# Altium PCB Main.PcbDoc (part 1 of 7) (continued)
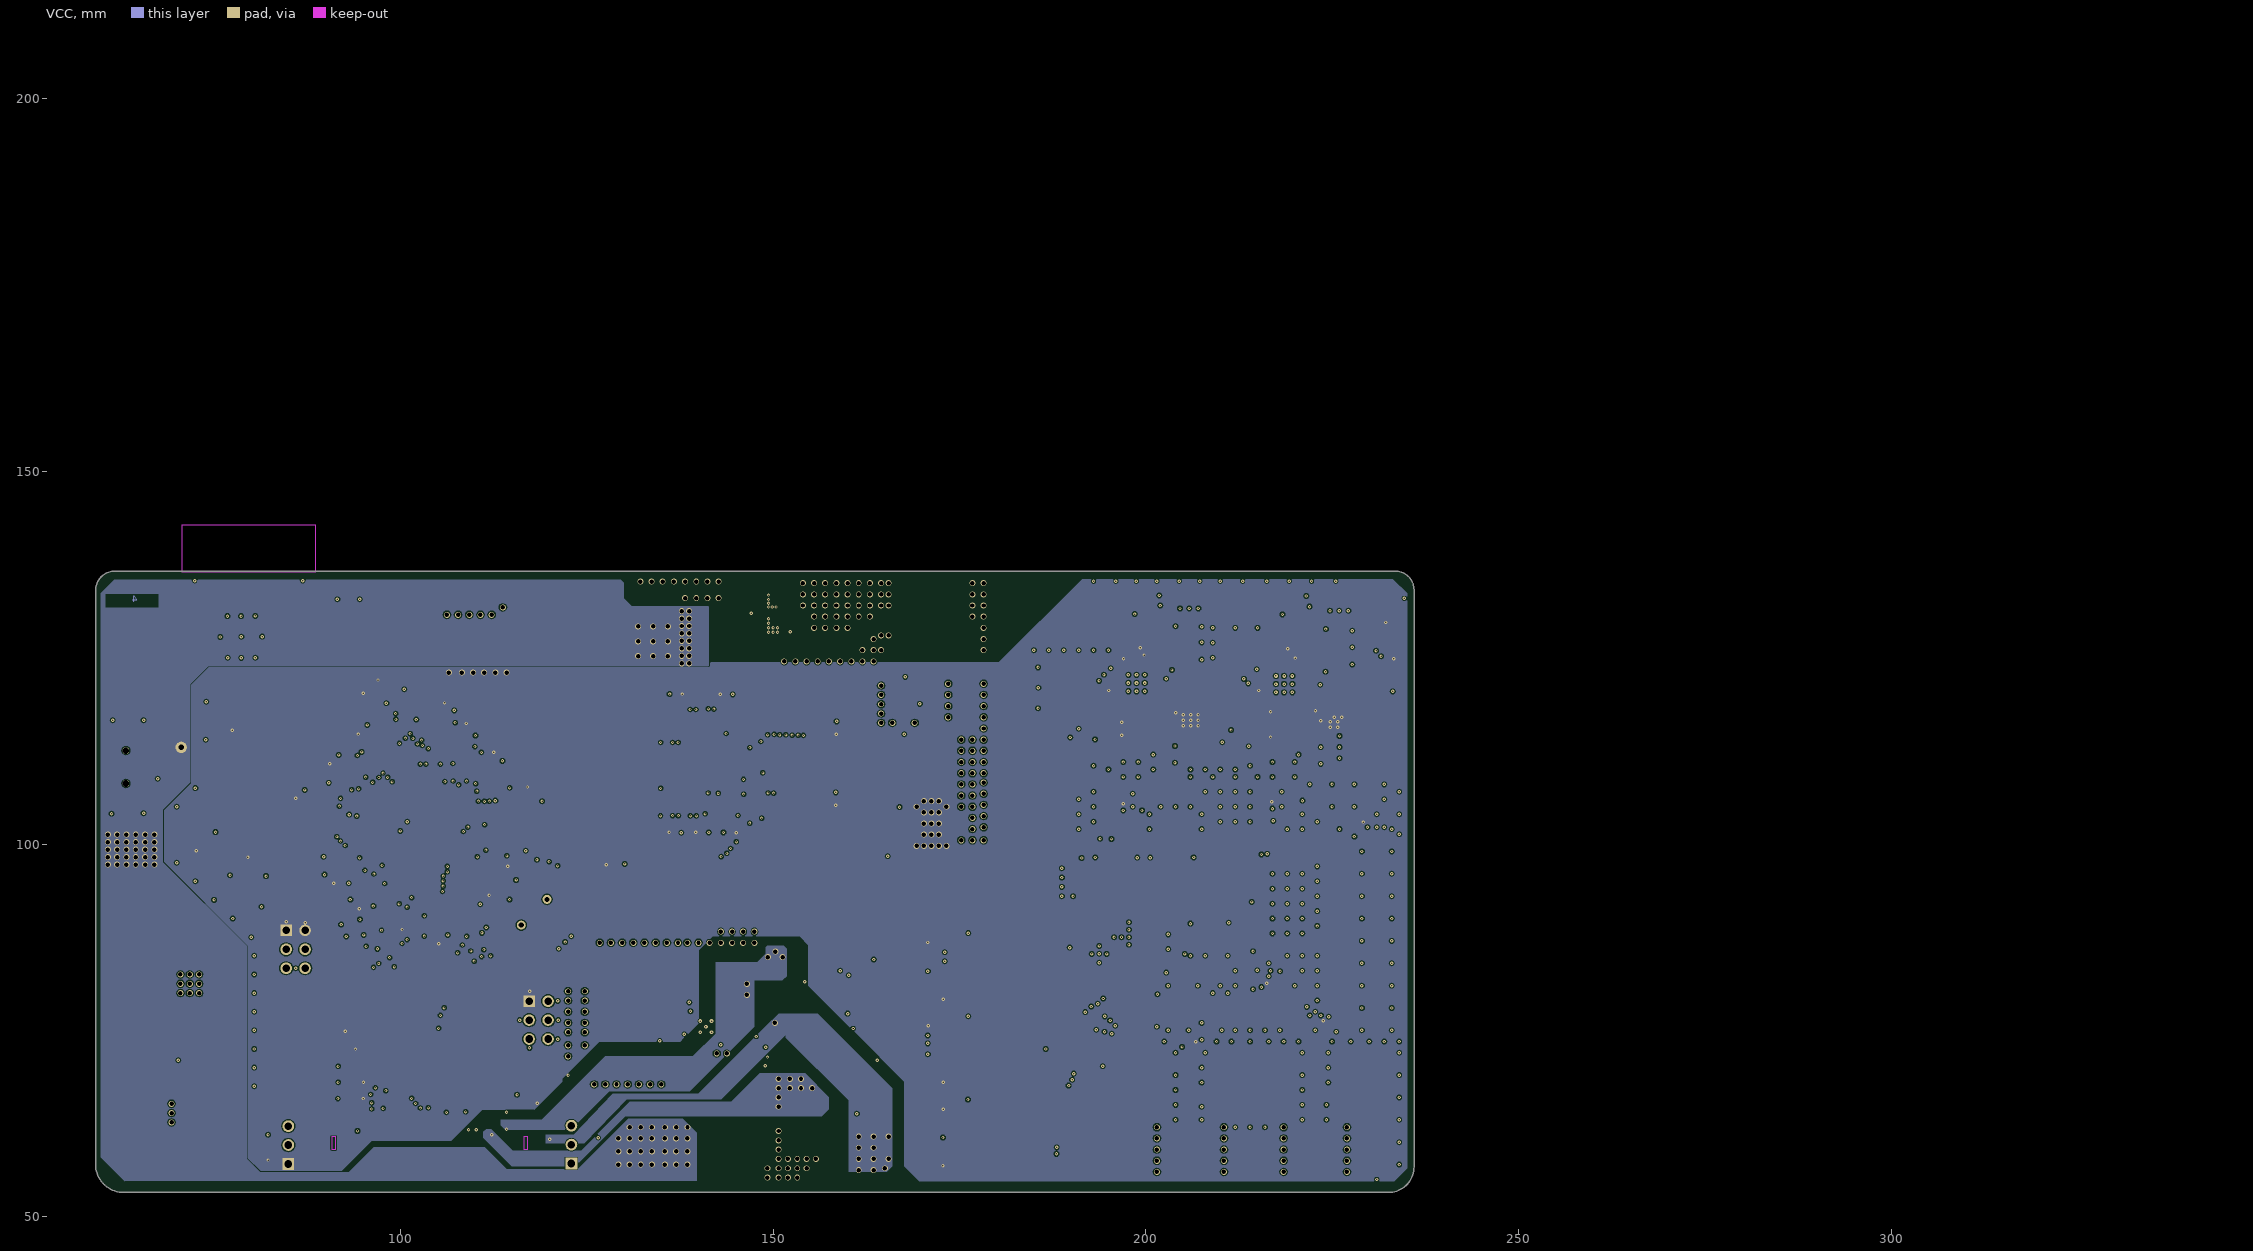
[diagram p4: VCC]
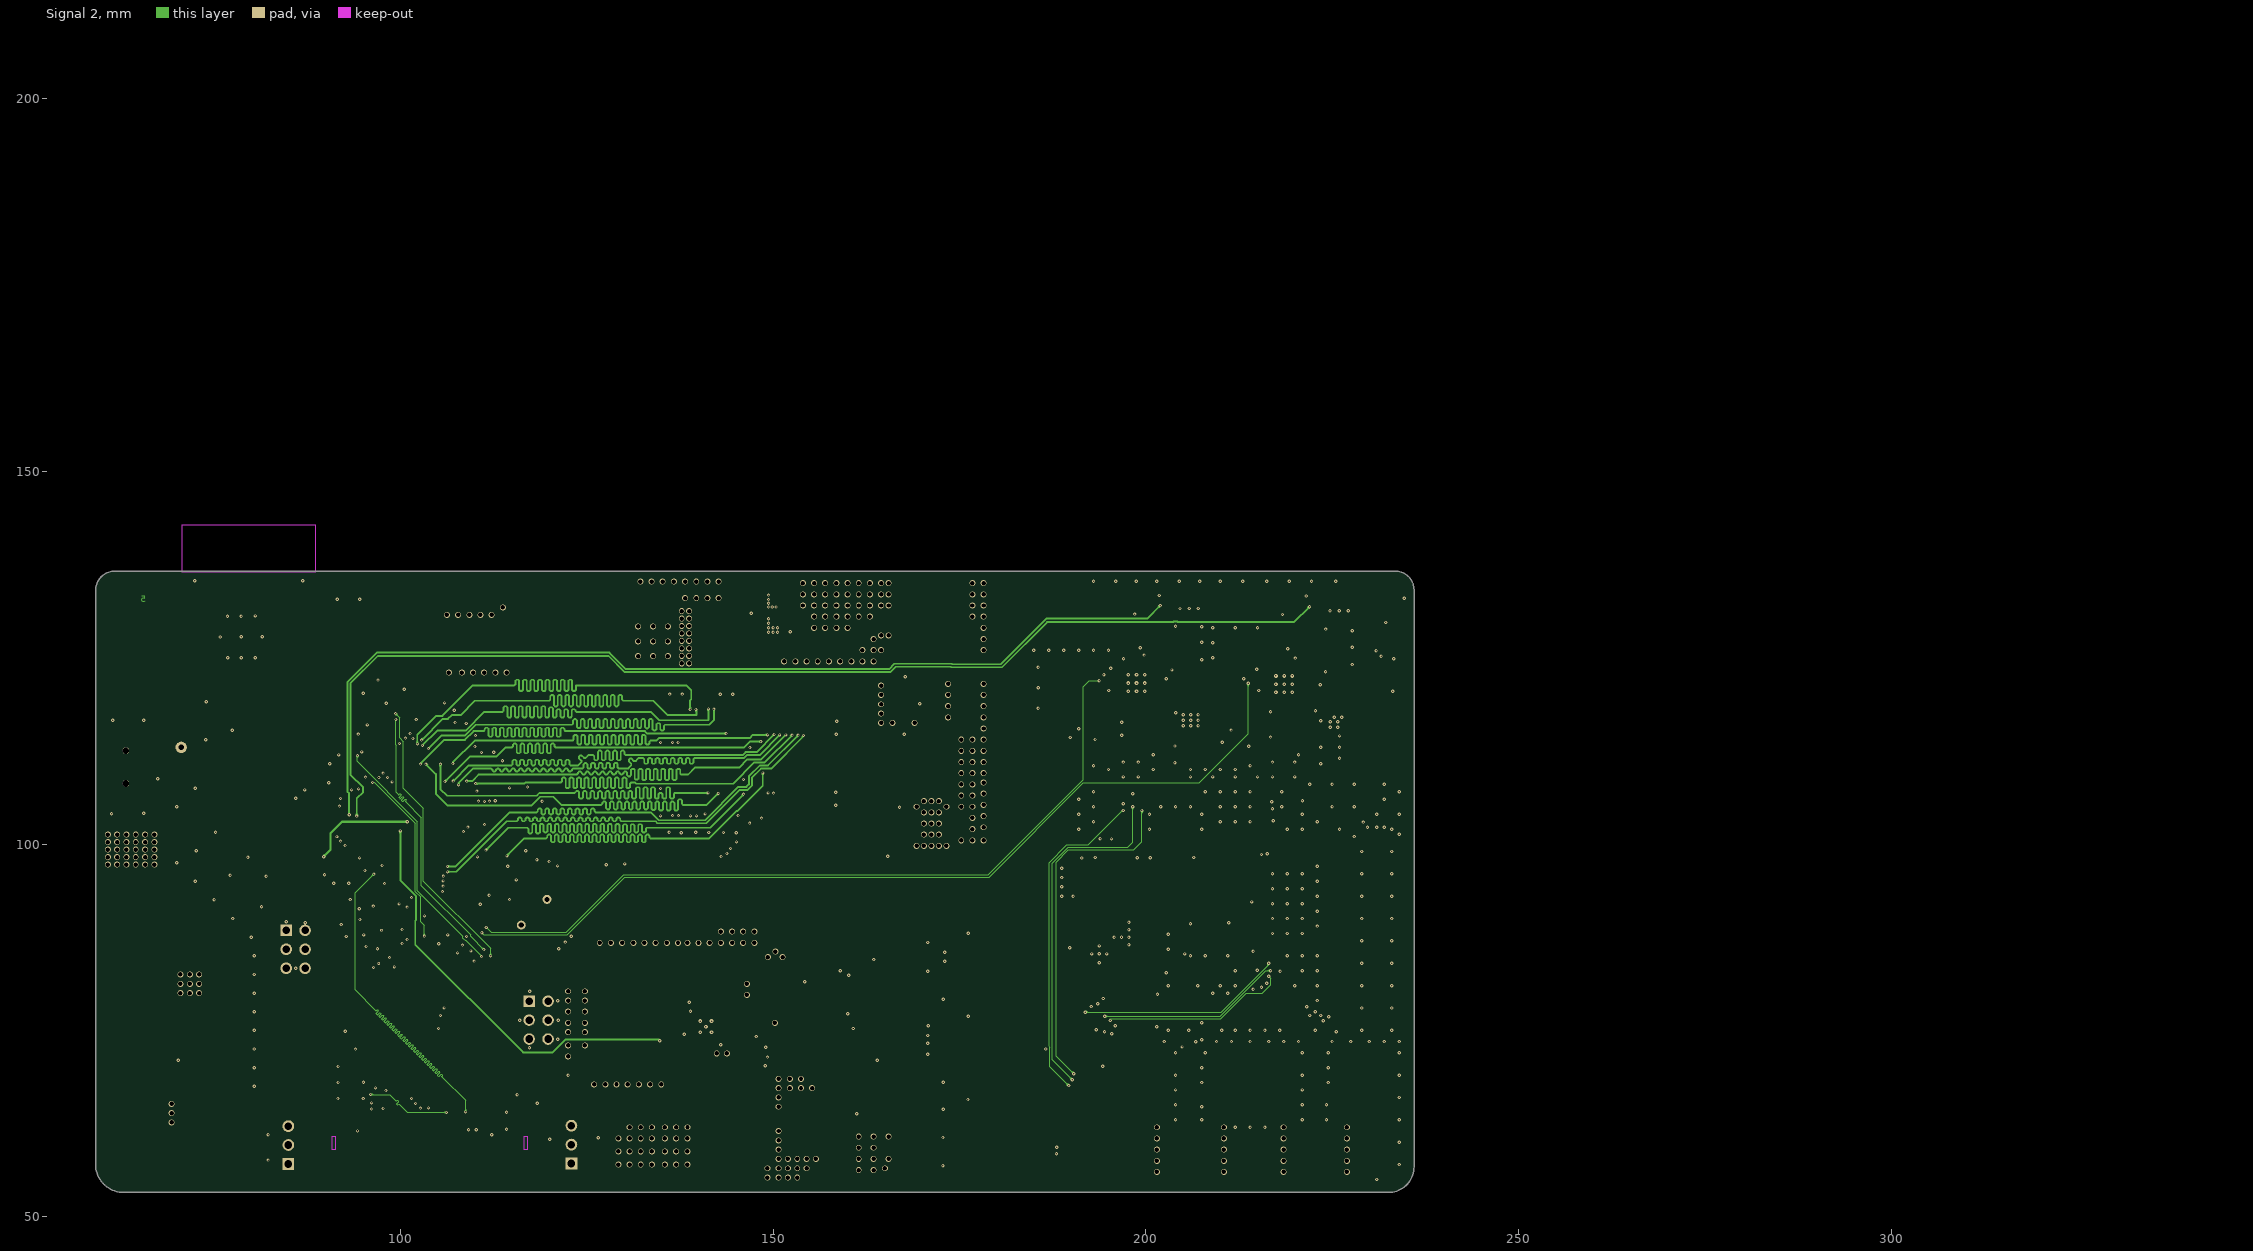
[diagram p5: Signal 2]
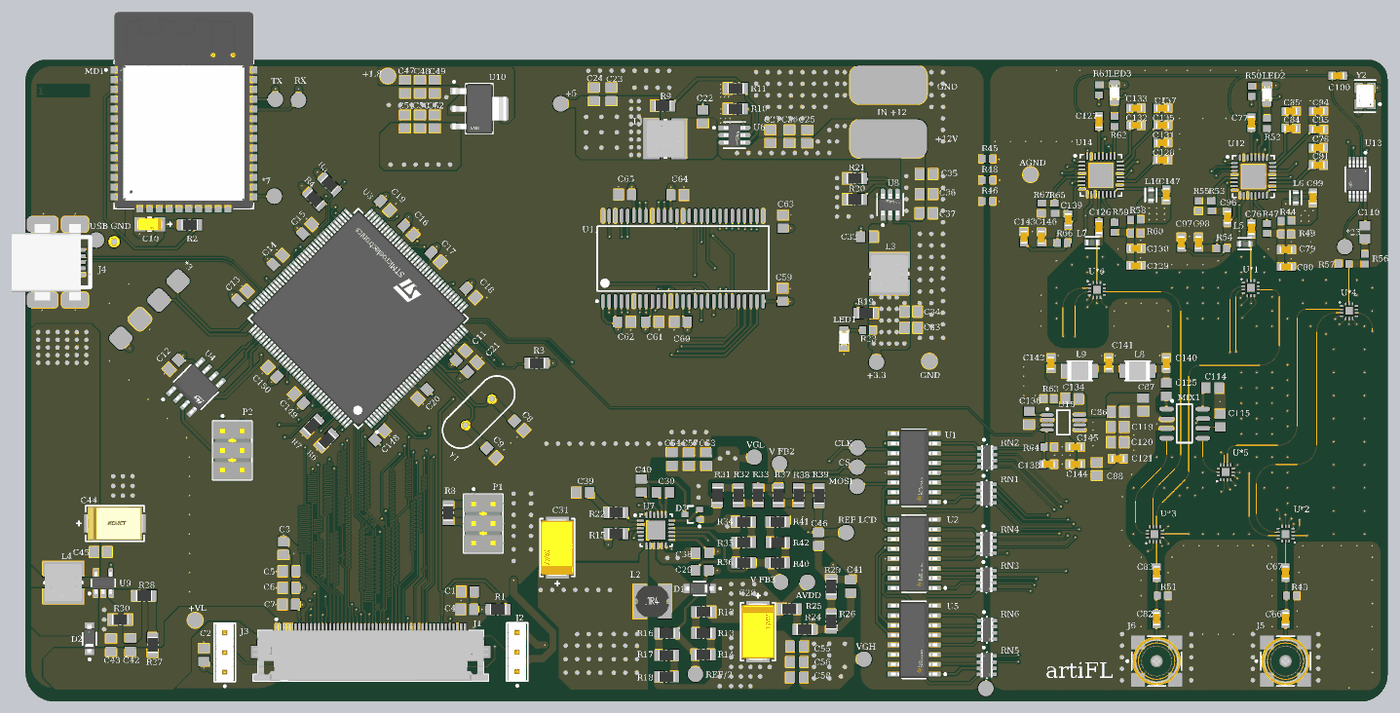
[diagram p12: 3D render of the assembled board from above, using the file's embedded part models]

## Layer stack, top to bottom
Top Solder: solder mask 0.0102, Solder Resist, Dk 3.5
Top Layer: signal copper 0.0356
Dielectric 2: prepreg 0.0711, PP-006, Dk 4.1
Signal 1: signal copper 0.035
Dielectric 4: prepreg 0.0711, PP-006, Dk 4.1
GND: signal copper 0.035
Dielectric 1: dielectric 0.32, FR-4, Dk 4.8
VCC: signal copper 0.035
Dielectric 5: prepreg 0.0711, PP-006, Dk 4.1
Signal 2: signal copper 0.035
Dielectric 3: prepreg 0.0711, PP-006, Dk 4.1
Bottom Layer: signal copper 0.0356
Bottom Solder: solder mask 0.0102, Solder Resist, Dk 3.5

## Board outline
62.9,53.25 232.55,53.25 ccw(c232.55,56.7) 236,56.7 236,134.1 ccw(c233.475,134.1) 233.475,136.625 61.725,136.625 ccw(c61.725,134) 59.1,134 59.1,57.05 ccw(c62.9,57.05)

## Design rules (kind name [scope] priority, off if disabled: settings)
Clearance [All] p1: gap=0.15 ignorepadtopadclearanceinfootprint=FALSE except(0.127: SMDPad-SMDPad; 0.2: Arc-SMDPad Track-SMDPad; 0.254: Arc-Via Track-Via Via-Via; 0.33: Arc-THPad Track-THPad; 0.5: SMDPad-THPad)
DiffPairsRouting [All] p1: maxlimit=0.254 minlimit=0.254 mostfreqgap=0.254 toplayer_minwidth=0.127 toplayer_maxwidth=0.381 toplayer_prefwidth=0.381 midlayer1_minwidth=0.381 midlayer1_maxwidth=0.381 midlayer1_prefwidth=0.381 midlayer2_minwidth=0.381 midlayer2_maxwidth=0.381 midlayer2_prefwidth=0.381 midlayer3_minwidth=0.381 midlayer3_maxwidth=0.381 midlayer3_prefwidth=0.381 midlayer4_minwidth=0.381 midlayer4_maxwidth=0.381 midlayer4_prefwidth=0.381 bottomlayer_minwidth=0.381 bottomlayer_maxwidth=0.381 bottomlayer_prefwidth=0.381 maxuncoupledlength=12.7
MatchedLengths MatchedLengths_LCD [InNetClass('LCD')] p1: tolerance=1 checknetsindiffpair=FALSE checkdiffpairvsdiffpair=TRUE checkxsignals=TRUE checkothers=TRUE
MatchedLengths [InNetClass('SDRAM')] p2: tolerance=1.5 checknetsindiffpair=FALSE checkdiffpairvsdiffpair=TRUE checkxsignals=TRUE checkothers=TRUE
PolygonConnect [All] p1: connectstyle=Direct reliefconductorwidth=0.254 reliefentries=4 polygonreliefangle="90 Angle" airgapwidth=0.254
RoutingVias [All] p1: holewidth=0.2 width=0.4 viastyle="Through Hole" minholewidth=0.2 minwidth=0.45 maxholewidth=6.3 maxwidth=1.27
SolderMaskExpansion [All] p1: expansion=0.102
UnpouredPolygon [All] p1: allowunpoured=TRUE
Width [All] p1: maxlimit=0.9 minlimit=0.127 preferedwidth=0.254 midlayer1_maxwidth=0.35 midlayer2_maxwidth=0.35 midlayer3_minwidth=0.254 midlayer3_maxwidth=0.254 midlayer4_minwidth=0.254 midlayer4_maxwidth=0.254 bottomlayer_maxwidth=0.35 minimp=50.000000 maximp=50.000000 favimp=50.000000
28 further rules are at their usual default settings.

## Classes and differential pairs
net class LCD: LCD_B0 LCD_B1 LCD_B2 LCD_B3 LCD_B4 LCD_B5 LCD_B6 LCD_B7 LCD_CLK LCD_DE LCD_G0 LCD_G1 LCD_G2 LCD_G3 LCD_G4 LCD_G5 LCD_G6 LCD_G7 LCD_HS LCD_L/R LCD_R0 LCD_R1 LCD_R2 LCD_R3 LCD_R4 LCD_R5 LCD_R6 LCD_R7 LCD_U/D LCD_VS
net class SDRAM: FMC_A0 FMC_A1 FMC_A2 FMC_A3 FMC_A4 FMC_A5 FMC_A6 FMC_A7 FMC_A8 FMC_A9 FMC_A10 FMC_A11 FMC_BA0 FMC_BA1 FMC_CAS FMC_CKE FMC_CLK FMC_CS FMC_D0 FMC_D1 FMC_D2 FMC_D3 FMC_D4 FMC_D5 FMC_D6 FMC_D7 FMC_D8 FMC_D9 FMC_D10 FMC_D11 FMC_D12 FMC_D13 FMC_D14 FMC_D15 FMC_NBL0 FMC_NBL1 FMC_RAS FMC_WE
component class Analog: *23 AGND C66 C67 C76 C77 C78 C79 C80 C81 C82 C83 C84 C85 C86 C87 C88 C94 C95 C96 C97 C98 C99 C100 C110 C114 C115 C119 C120 C121 C125 C126 C127 C128 C129 C130 C131 C132 C133 C134 C135 C136 C137 C138 C139 C140 C141 C142 C143 C144 C145 C146 C147 J5 J6 L5 L6 L7 L8 L9 L10 LED2 LED3 MIX1 R43 R44 R45 R46 R47 R48 R49 R50 R51 R52 R53 R54 R55 R56 R57 R58 R59 R60 R61 R62 R63 R64 R65 R66 R67 U12 U13 U14 U15 U*1 U*2 U*3 U*4 U*5 U*6 Y2
component class SDRAM: C59 C60 C61 C62 C63 C64 C65 U11
component class Power: +1.8 +3.3 +5 +VL AVDD C22 C23 C24 C25 C26 C27 C28 C29 C30 C31 C32 C33 C34 C35 C36 C37 C38 C39 C40 C41 C42 C43 C44 C45 C46 C47 C48 C49 C50 C51 C52 C53 C54 C55 C56 C57 C58 D1 D2 D3 GND "IN +12" L1 L2 L3 L4 LED1 R9 R10 R11 R12 R13 R14 R15 R16 R17 R18 R19 R20 R21 R22 R23 R24 R25 R26 R27 R28 R29 R30 R31 R32 R33 R34 R35 R36 R37 R38 R39 R40 R41 R42 "REF LCD" REF/2 U6 U7 U8 U9 U10 "V FB2" "V FB3" VGH VGL
component class MCU: *3 *6 *7 C8 C9 C10 C11 C12 C13 C14 C15 C16 C17 C18 C19 C20 C21 C148 C149 C150 CLK CS J4 MD1 MOSI P1 P2 R2 R3 R4 R5 R6 R7 R8 RN1 RN2 RN3 RN4 RN5 RN6 RX TX U1 U2 U3 U4 U5 "USB GND" Y1
component class LCD: C1 C2 C3 C4 C5 C6 C7 J1 J2 J3 R1
differential pair USB_D: +USB_D_P -USB_D_N

## Components (designator, comment, footprint, x,y, rotation, side; value= is the part's Value field where it differs from the comment)
*3 "SWD" PCBComponent_1#1 75.223,104.198 r135 top
*6 "Test Pad" "Test Pad" 183.925,54.95 r0 top
*7 "Test Pad" "Test Pad" 91.5,118.9 r0 top
*23 "Test Pad" "Test Pad" 230.45,112.225 r270 top
+1.8 "Test Pad" "Test Pad" 106.25,134.5 r0 top (schematic designator *14)
+3.3 "Test Pad" "Test Pad" 169.725,97.325 r0 top (schematic designator *11)
+5 "Test Pad" "Test Pad" 128.6,131 r90 top (schematic designator "TP *1")
+VL "Test Pad" "Test Pad" 81.225,63.8 r0 top (schematic designator *18)
AGND "Test Pad" "Test Pad" 189.725,121.7 r0 top (schematic designator *22)
AVDD "Test Pad" "Test Pad" 160.75,68.75 r0 top (schematic designator *17)
C1 "100nf" CAPC2013X70X45NL10T25 116.525,67.525 r0 top
C2 "100nf" CAPC2013X70X45NL10T25 82.25,59.3 r270 top
C3 "100nf" CAPC2013X70X45NL10T25 92.6,73.175 r90 top
C4 "100nf" CAPC2013X70X45NL10T25 116.475,65.2 r0 top
C5 "100nf" CAPC2013X70X45NL10T25 93.35,70.175 r0 top
C6 "100nf" CAPC2013X70X45NL10T25 93.35,68.025 r0 top
C7 "100nf" CAPC2013X70X45NL10T25 93.325,65.85 r0 top
C8 "4.3pf" CAPC2013X70X45NL10T25 123.224,89.076 r315 top
C9 "4.3pf" CAPC2013X70X45NL10T25 119.625,85.525 r315 top
C10 "10uF 16V" FP-TAJA-MFG 75.225,115.25 r0 top
C11 "0.1uf" CAPC2013X70X45NL10T25 117.125,96.7 r45 top
C12 "100nf" CAPC2013X70X45NL10T25 78.35,97 r45 top
C13 "100nf" CAPC2013X70X45NL10T25 87.275,105.975 r225 top
C14 "100nf" CAPC2013X70X45NL10T25 91.875,110.625 r225 top
C15 "100nf" CAPC2013X70X45NL10T25 95.698,114.627 r225 top
C16 "100nf" CAPC2013X70X45NL10T25 108.85,114.475 r135 top
C17 "100nf" CAPC2013X70X45NL10T25 112.375,110.975 r135 top
C18 "100nf" CAPC2013X70X45NL10T25 116.95,106.325 r135 top
C19 "100nf" CAPC2013X70X45NL10T25 105.775,117.65 r135 top
C20 "100nf" CAPC2013X70X45NL10T25 110.65,93.175 r45 top
C21 "100nf" CAPC2013X70X45NL10T25 115.625,98.2 r225 top
C22 "0.1uf" CAPC2013X70X45NL10T25 147.075,129.25 r270 top
C23 "22uf" CAPC2013X70X45NL10T25 135.2,132.15 r270 top
C24 "22uf" CAPC2013X70X45NL10T25 132.9,132.15 r270 top
C25 "10uf" CAPC2013X70X45NL10T25 160.65,126.65 r270 top
C26 "10uf" CAPC2013X70X45NL10T25 158.3,126.675 r270 top
C27 "0.1uf" CAPC2013X70X45NL10T25 155.825,126.675 r270 top
C28 "22uf" FP-TAJD-MFG 154.225,62.325 r90 top
C29 "6.8pf" CAPC2013X70X45NL10T25 146.975,70.3 r180 top
C30 "220nf" CAPC2013X70X45NL10T25 141.9,80.425 r0 top
C31 "22uf" FP-TAJD-MFG 128.175,73.25 r270 top
C32 "0.1uf" CAPC2013X70X45NL10T25 168.4,113.625 r0 top
C33 "22uf" CAPC2013X70X45NL10T25 174.1,101.8 r180 top
C34 "22uf" CAPC2013X70X45NL10T25 174.1,103.9 r180 top
C35 "10uf" CAPC2013X70X45NL10T25 176.125,121.775 r180 top
C36 "10uf" CAPC2013X70X45NL10T25 176.125,119.175 r180 top
C37 "0.1uf" CAPC2013X70X45NL10T25 176.075,116.675 r180 top
C38 "1uf" CAPC2013X70X45NL10T25 147.025,72.575 r0 top
C39 "1nf" CAPC2013X70X45NL10T25 131.5,80.4 r180 top
C40 "220nf" CAPC2013X70X45NL10T25 139.075,81.3 r270 top
C41 "1nf" CAPC2013X70X45NL10T25 166.275,68.225 r270 top
C42 "22pf" CAPC2013X70X45NL10T25 72.7,60.6 r270 top
C43 "1uf" CAPC2013X70X45NL10T25 70.2,60.6 r270 top
C44 "100uf 16V" FP-T491D107K016AT-MFG 70.7,76.375 r180 top
C45 "10uf" CAPC2013X70X45NL10T25 68.875,72.675 r180 top
C46 "220nf" CAPC2013X70X45NL10T25 162.05,74.325 r90 top
C47 "220nf" CAPC2013X70X45NL10T25 108.4,133.1 r90 top
C48 "100nf" CAPC2013X70X45NL10T25 110.325,133.1 r90 top
C49 "10nf" CAPC2013X70X45NL10T25 112.25,133.1 r90 top
C50 "220nf" CAPC2013X70X45NL10T25 110.325,128.6 r270 top
C51 "100nf" CAPC2013X70X45NL10T25 108.375,128.6 r270 top
C52 "10nf" CAPC2013X70X45NL10T25 112.25,128.6 r270 top
C53 "100nf" CAPC2013X70X45NL10T25 147.5,84.75 r270 top
C54 "1uf" CAPC2013X70X45NL10T25 143,84.75 r270 top
C55 "100nf" CAPC2013X70X45NL10T25 159.3,60.413 r0 top
C56 "1uf" CAPC2013X70X45NL10T25 159.275,58.375 r0 top
C57 "220nf" CAPC2013X70X45NL10T25 145.25,84.75 r270 top
C58 "220nf" CAPC2013X70X45NL10T25 159.275,56.35 r0 top
C59 "100nf" CAPC2013X70X45NL10T25 157.425,106.075 r270 top
C60 "100nf" CAPC2013X70X45NL10T25 144.2,102.575 r0 top
C61 "100nf" CAPC2013X70X45NL10T25 140.5,102.575 r180 top
C62 "100nf" CAPC2013X70X45NL10T25 136.85,102.575 r180 top
C63 "100nf" CAPC2013X70X45NL10T25 157.5,115.575 r270 top
C64 "100nf" CAPC2013X70X45NL10T25 143.775,119.05 r180 top
C65 "100nf" CAPC2013X70X45NL10T25 136.975,119.1 r0 top
C66 "10nF" CAPC1608X90X35ML10T15 222.75,64 r270 top
C67 "10nF" CAPC1608X90X35ML10T15 222.75,70 r270 top
C76 "1nF" CAPC1608X90X35ML10T15 218.321,114.702 r270 top
C77 "1nF" CAPC1608X90X35ML10T15 218.321,128.452 r270 top
C78 "10pF" CAPC1608X90X35ML10T15 226.971,125.202 r180 top
C79 "100nF" CAPC1608X90X35ML10T15 222.821,111.952 r180 top
C80 "100nF" CAPC1608X90X35ML10T15 222.821,109.702 r180 top
C81 "100nF" CAPC1608X90X35ML10T15 226.971,122.952 r180 top
C82 "10nF" CAPC1608X90X35ML10T15 206,64 r270 top
C83 "10nF" CAPC1608X90X35ML10T15 206,70 r270 top
C84 "10pF" CAPC1608X90X35ML10T15 223.421,127.702 r180 top
C85 "100nF" CAPC1608X90X35ML10T15 223.446,129.952 r180 top
C86 "1uf" CAPC2013X70X45NL10T25 200.975,90.875 r180 top
C87 "1uf" CAPC2013X70X45NL10T25 204.3,91.825 r90 top
C88 "1uf" CAPC2013X70X45NL10T25 198.225,83.45 r90 top
C94 "10pF" CAPC1608X90X35ML10T15 226.996,129.977 r180 top
C95 "100nF" CAPC1608X90X35ML10T15 226.996,127.552 r180 top
C96 "39nF" CAPC1608X90X35ML10T15 215.196,116.152 r270 top
C97 "2.7nF" CAPC1608X90X35ML10T15 209.196,112.877 r270 top
C98 "680pF" CAPC1608X90X35ML10T15 211.446,112.877 r270 top
C99 "100nF" CAPC1608X90X35ML10T15 226.321,118.702 r270 top
C100 "1nF" CAPC1608X90X35ML10T15 229.525,134.55 r180 top
C110 "1uf" CAPC2013X70X45NL10T25 233.05,114.225 r90 top
C114 "1uf" CAPC2013X70X45NL10T25 213.25,94 r0 top
C115 "1uf" CAPC2013X70X45NL10T25 214.25,89.75 r90 top
C119 "1uf" CAPC2013X70X45NL10T25 200.95,88.925 r180 top
C120 "1uf" CAPC2013X70X45NL10T25 200.95,86.925 r180 top
C121 "100nF" CAPC1608X90X35ML10T15 200.975,84.8 r180 top
C125 "1uf" CAPC2013X70X45NL10T25 207.25,93.775 r90 top
C126 "1nF" CAPC1608X90X35ML10T15 198.523,114.851 r270 top
C127 "1nF" CAPC1608X90X35ML10T15 198.523,128.601 r270 top
C128 "10pF" CAPC1608X90X35ML10T15 206.748,123.601 r180 top
C129 "100nF" CAPC1608X90X35ML10T15 203.273,109.851 r180 top
C130 "100nF" CAPC1608X90X35ML10T15 203.273,112.101 r180 top
C131 "100nF" CAPC1608X90X35ML10T15 206.773,125.851 r180 top
C132 "10pF" CAPC1608X90X35ML10T15 203.273,128.101 r180 top
C133 "100nF" CAPC1608X90X35ML10T15 203.273,130.351 r180 top
C134 "1uf" CAPC2013X70X45NL10T25 195.05,92.6 r180 top
C135 "10pF" CAPC1608X90X35ML10T15 206.773,128.101 r180 top
C136 "1uf" CAPC2013X70X45NL10T25 189.45,90.075 r270 top
C137 "100nF" CAPC1608X90X35ML10T15 206.773,130.351 r180 top
C138 "4.7nF" CAPC1608X90X35ML10T15 191.95,84.075 r180 top
C139 "10nF" CAPC1608X90X35ML10T15 194.523,115.851 r270 top
C140 "15nF" CAPC1608X90X35ML10T15 207.275,97.2 r270 top
C141 "38nF" CAPC1608X90X35ML10T15 199.775,97.2 r270 top
C142 "33nF" CAPC1608X90X35ML10T15 192.275,97.2 r270 top
C143 "68pF" CAPC1608X90X35ML10T15 188.773,113.576 r270 top
C144 "100nF" CAPC1608X90X35ML10T15 195.45,84.075 r0 top
C145 "10nF" CAPC1608X90X35ML10T15 195.45,86.325 r0 top
C146 "68pF" CAPC1608X90X35ML10T15 191.023,113.551 r270 top
C147 "100nF" CAPC1608X90X35ML10T15 207.273,119.101 r270 top
C148 "100nf" CAPC2013X70X45NL10T25 105.075,87.85 r225 top
C149 "100nf" CAPC2013X70X45NL10T25 94.6,92.6 r315 top
C150 "100nf" CAPC2013X70X45NL10T25 91.175,96.05 r315 top
CLK "Test Pad" "Test Pad" 167.25,86.22 r0 top (schematic designator *4)
CS "Test Pad" "Test Pad" 167.2,83.695 r0 top (schematic designator *2)
D1 "MBR0540" FP-425-04-MFG 146.65,67.925 r180 top
D2 "MBR0540" FP-425-04-MFG 67.4,61.4 r90 top
D3 "BAT54SWT1G" ONSC-SOT-323-3-419-04_V 145.7,77.55 r180 top
GND "Test Pad" "Test Pad" 176.6,97.45 r0 top (schematic designator *20)
"IN +12" "POWER" POWER 171.175,129.85 r180 top (schematic designator I*1)
J1 "54104-5031" MOLX-54104-5031 103.925,61.275 r0 top
J2 "22-10-2031" FP-22-10-2031-MFG 122.95,59.675 r90 top
J3 "22-10-2031" FP-22-10-2031-MFG 84.975,59.615 r90 top
J4 "67503-1020" MOLX-67503-1020_V 65.5,111.925 r0 top
J5 "RF OUT" FP-73251-1350-MFG 222.75,58.5 r0 top
J6 "RF IN" FP-73251-1350-MFG 206,58.5 r0 top
L1 "4.7uH" WE-TPC-4818-M 142.2,126.35 r180 top
L2 "10uH" WE-PD2-S 140.5,66.25 r0 top
L3 "2.2uH" WE-TPC-4818-M 171.3,108.8 r270 top
L4 "10uH" WE-TPC-4818-M 64,68.7 r270 top
L5 "3.9nH" FP-LQG18HH_00-MFG 217.446,112.702 r0 top
L6 "3.9nH" FP-LQG18HH_00-MFG 224.071,118.702 r270 top
L7 "3.9nH" FP-LQG18HH_00-MFG 197.65,112.875 r180 top
L8 "68uH" SMD-1210 203.525,96.2 r180 top
L9 "100uH" SMD-1210 196.025,96.2 r180 top
L10 "3.9nH" FP-LQG18HH_00-MFG 205.273,119.026 r270 top
LED1 "LED POWER" 0805_A 165.4,100.4 r90 top
LED2 "LED LOCK" 0805_A 220.321,132.202 r270 top
LED3 "LED LOCK" 0805_A 200.523,132.351 r270 top
MD1 "ESP32-WROOM-32" FP-ESP32-WROOM-32-MFG 79.665,130.05 r0 top
MIX1 "IAM81008" IAM81008 211.825,89.4 r0 top